# KiCad board ZSWatch-panelized.kicad_pcb (continued)
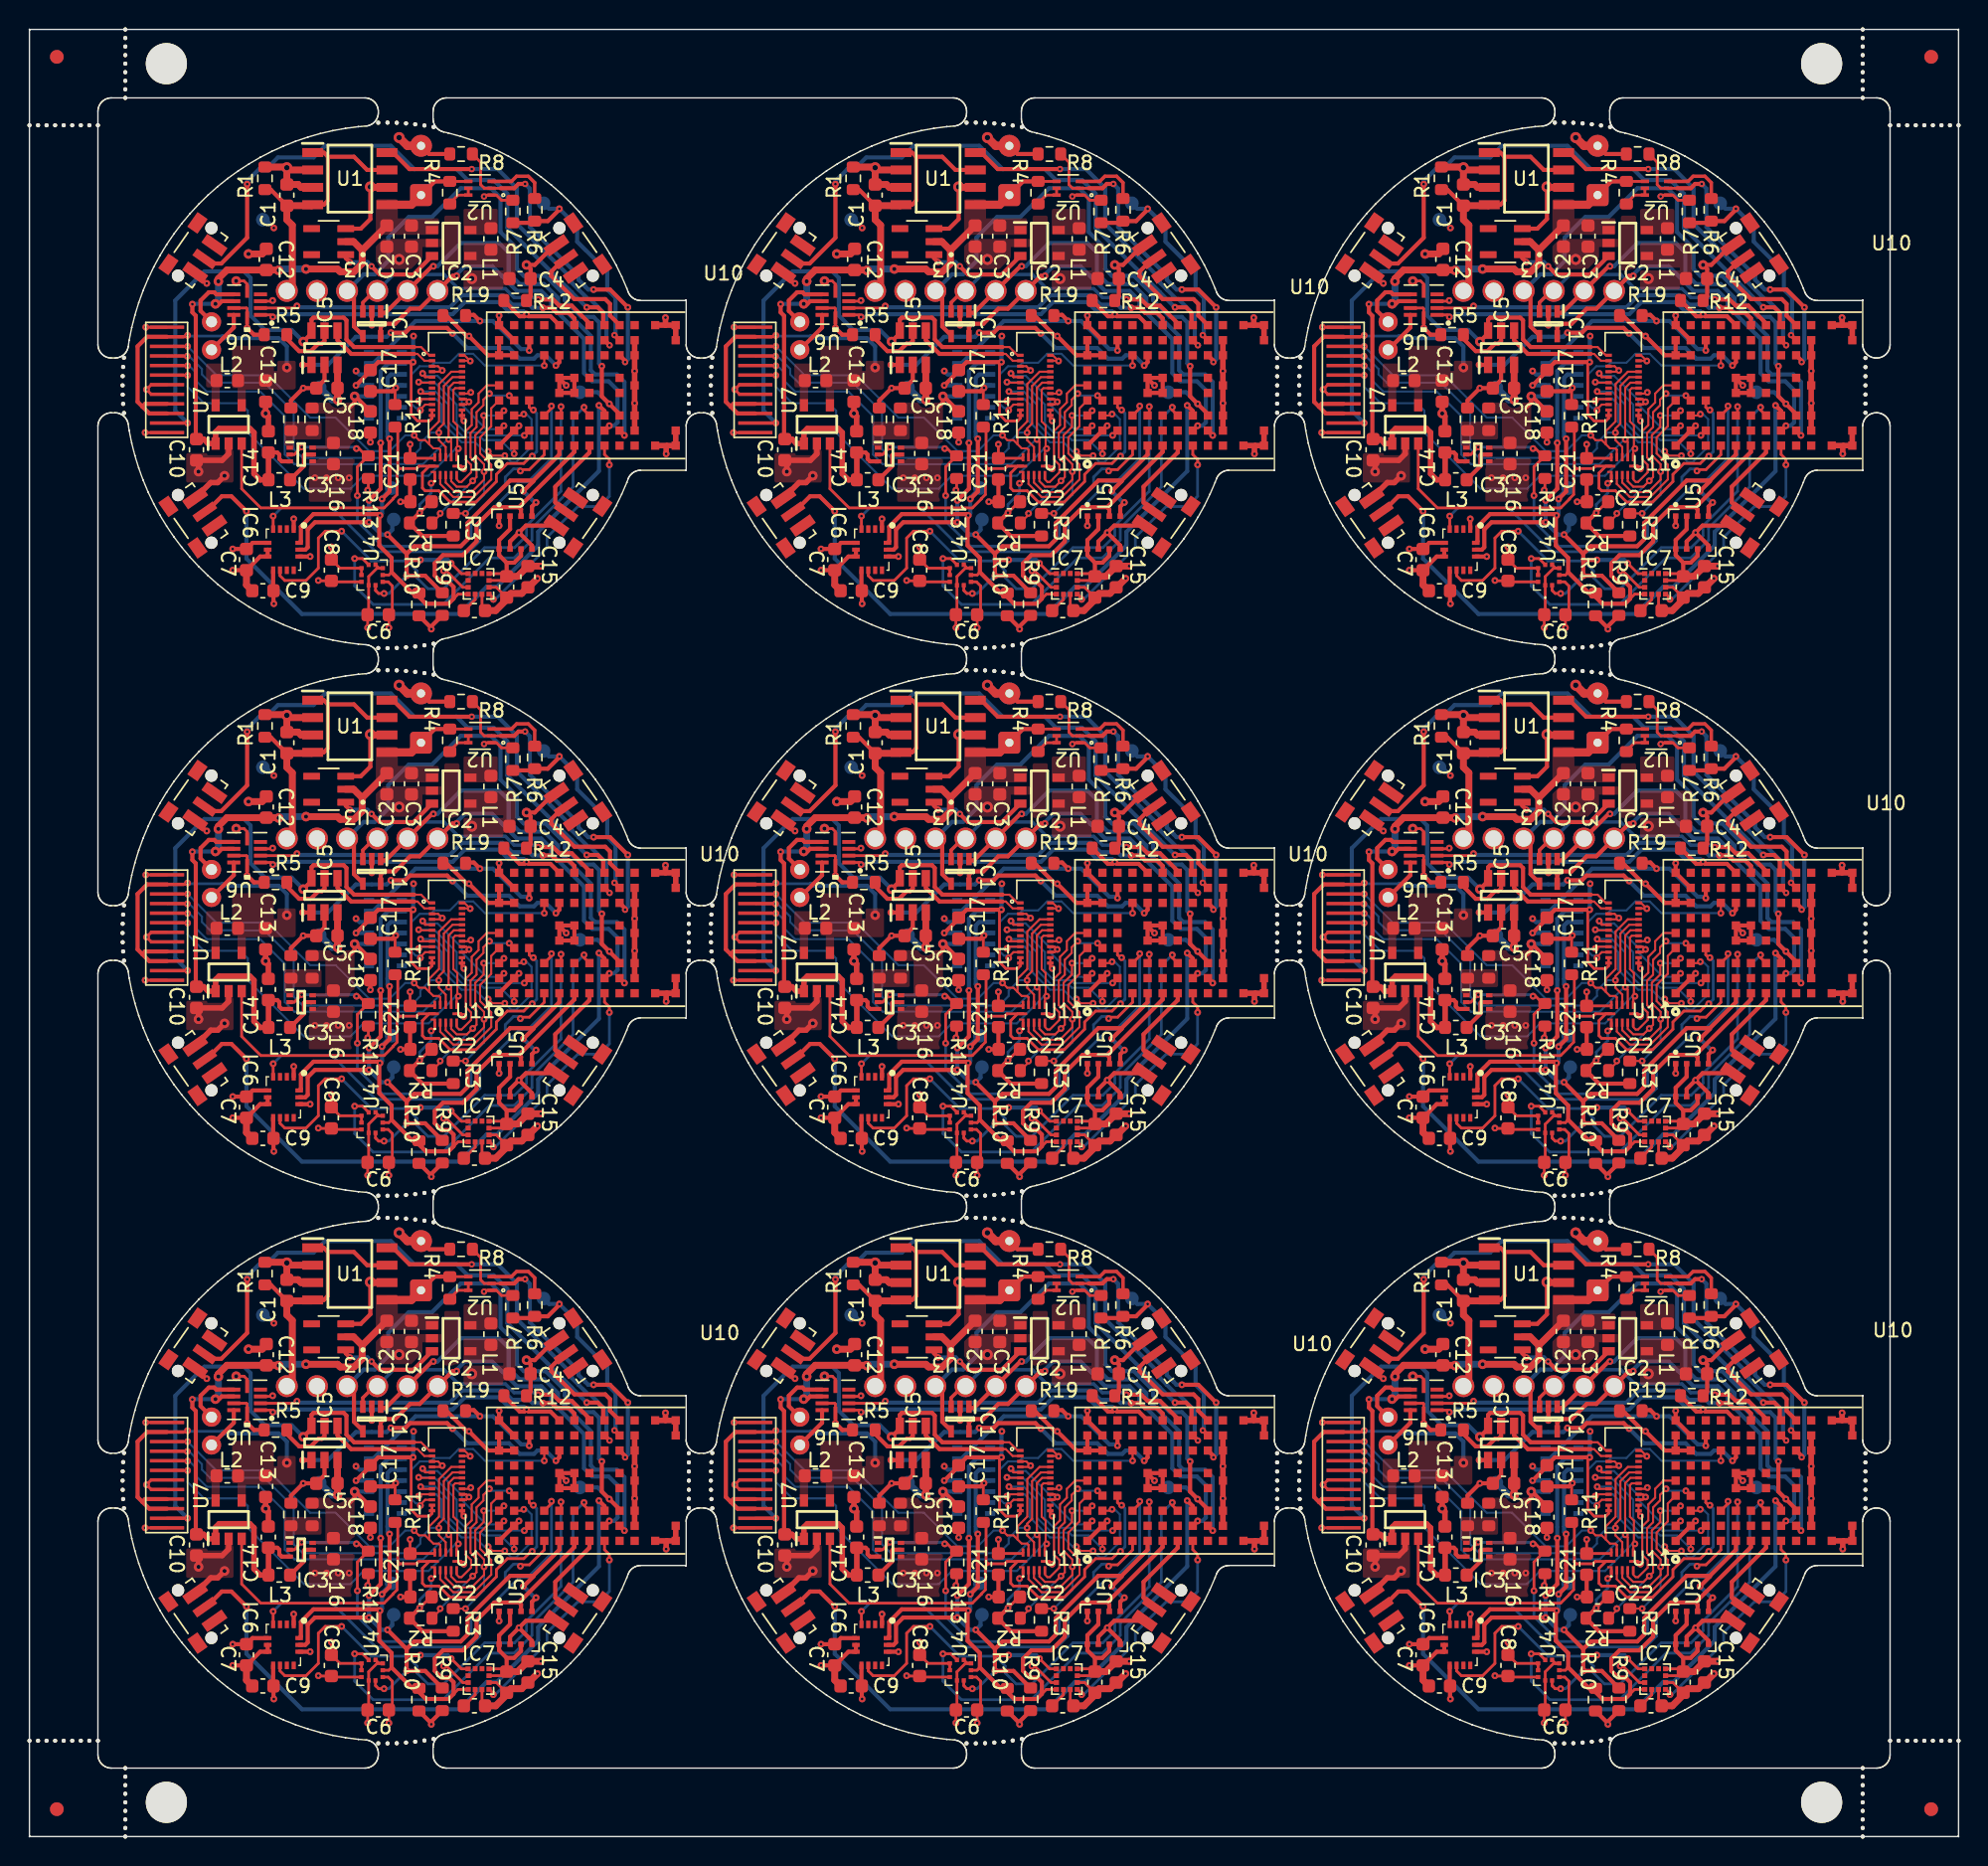
[diagram p0: board, top side]
## Placement (name value [footprint] x y rotation side) (continued)
M1#4  Vibrator DC Motor  [TestPoint_2Pads_Pitch2.54mm_Drill0.8mm]  99.22 68.6 90 top
M1#5  Vibrator DC Motor  [TestPoint_2Pads_Pitch2.54mm_Drill0.8mm]  56.26 108.6 90 top
M1#6  Vibrator DC Motor  [TestPoint_2Pads_Pitch2.54mm_Drill0.8mm]  99.22 108.6 90 top
M1#7  Vibrator DC Motor  [TestPoint_2Pads_Pitch2.54mm_Drill0.8mm]  13.3 28.6 90 top
M1#8  Vibrator DC Motor  [TestPoint_2Pads_Pitch2.54mm_Drill0.8mm]  13.3 108.6 90 top
M1#9  Vibrator DC Motor  [TestPoint_2Pads_Pitch2.54mm_Drill0.8mm]  13.3 68.6 90 top
R1  10k  [R_0603_1608Metric]  17.2 81.12 90 top
R1#2  10k  [R_0603_1608Metric]  103.12 81.12 90 top
R1#3  10k  [R_0603_1608Metric]  17.2 41.12 90 top
R1#4  10k  [R_0603_1608Metric]  60.16 81.12 90 top
R1#5  10k  [R_0603_1608Metric]  60.16 41.12 90 top
R1#6  10k  [R_0603_1608Metric]  103.12 121.12 90 top
R1#7  10k  [R_0603_1608Metric]  103.12 41.12 90 top
R1#8  10k  [R_0603_1608Metric]  17.2 121.12 90 top
R1#9  10k  [R_0603_1608Metric]  60.16 121.12 90 top
R2  4.7k  [R_0603_1608Metric]  28.57 95.95 180 top
R2#2  4.7k  [R_0603_1608Metric]  71.53 55.95 180 top
R2#3  4.7k  [R_0603_1608Metric]  71.53 15.95 180 top
R2#4  4.7k  [R_0603_1608Metric]  114.49 15.95 180 top
R2#5  4.7k  [R_0603_1608Metric]  28.57 55.95 180 top
R2#6  4.7k  [R_0603_1608Metric]  28.57 15.95 180 top
R2#7  4.7k  [R_0603_1608Metric]  114.49 55.95 180 top
R2#8  4.7k  [R_0603_1608Metric]  71.53 95.95 180 top
R2#9  4.7k  [R_0603_1608Metric]  114.49 95.95 180 top
R3  4.7k  [R_0603_1608Metric]  116.87 95.82 270 top
R3#2  4.7k  [R_0603_1608Metric]  30.95 15.82 270 top
R3#3  4.7k  [R_0603_1608Metric]  73.91 95.82 270 top
R3#4  4.7k  [R_0603_1608Metric]  30.95 55.82 270 top
R3#5  4.7k  [R_0603_1608Metric]  73.91 15.82 270 top
R3#6  4.7k  [R_0603_1608Metric]  116.87 15.82 270 top
R3#7  4.7k  [R_0603_1608Metric]  73.91 55.82 270 top
R3#8  4.7k  [R_0603_1608Metric]  30.95 95.82 270 top
R3#9  4.7k  [R_0603_1608Metric]  116.87 55.82 270 top
R4  1M0  [R_0603_1608Metric]  73.66 120.07 270 top
R4#2  1M0  [R_0603_1608Metric]  73.66 80.07 270 top
R4#3  1M0  [R_0603_1608Metric]  30.7 120.07 270 top
R4#4  1M0  [R_0603_1608Metric]  116.62 40.07 270 top
R4#5  1M0  [R_0603_1608Metric]  116.62 120.07 270 top
R4#6  1M0  [R_0603_1608Metric]  116.62 80.07 270 top
R4#7  1M0  [R_0603_1608Metric]  73.66 40.07 270 top
R4#8  1M0  [R_0603_1608Metric]  30.7 40.07 270 top
R4#9  1M0  [R_0603_1608Metric]  30.7 80.07 270 top
R5  9.53k  [R_0603_1608Metric]  103.89 29.7 0 top
R5#2  9.53k  [R_0603_1608Metric]  17.97 109.7 0 top
R5#3  9.53k  [R_0603_1608Metric]  17.97 29.7 0 top
R5#4  9.53k  [R_0603_1608Metric]  60.93 29.7 0 top
R5#5  9.53k  [R_0603_1608Metric]  60.93 109.7 0 top
R5#6  9.53k  [R_0603_1608Metric]  17.97 69.7 0 top
R5#7  9.53k  [R_0603_1608Metric]  103.89 69.7 0 top
R5#8  9.53k  [R_0603_1608Metric]  60.93 69.7 0 top
R5#9  9.53k  [R_0603_1608Metric]  103.89 109.7 0 top
R6  1M5  [R_0603_1608Metric]  122.82 78.82 270 top
R6#2  1M5  [R_0603_1608Metric]  36.9 78.82 270 top
R6#3  1M5  [R_0603_1608Metric]  122.82 38.82 270 top
R6#4  1M5  [R_0603_1608Metric]  36.9 118.82 270 top
R6#5  1M5  [R_0603_1608Metric]  122.82 118.82 270 top
R6#6  1M5  [R_0603_1608Metric]  79.86 78.82 270 top
R6#7  1M5  [R_0603_1608Metric]  79.86 38.82 270 top
R6#8  1M5  [R_0603_1608Metric]  36.9 38.82 270 top
R6#9  1M5  [R_0603_1608Metric]  79.86 118.82 270 top
R7  220k  [R_0603_1608Metric]  121.22 38.7 90 top
R7#2  220k  [R_0603_1608Metric]  78.26 78.7 90 top
R7#3  220k  [R_0603_1608Metric]  78.26 38.7 90 top
R7#4  220k  [R_0603_1608Metric]  35.3 118.7 90 top
R7#5  220k  [R_0603_1608Metric]  35.3 78.7 90 top
R7#6  220k  [R_0603_1608Metric]  35.3 38.7 90 top
R7#7  220k  [R_0603_1608Metric]  121.22 118.7 90 top
R7#8  220k  [R_0603_1608Metric]  78.26 118.7 90 top
R7#9  220k  [R_0603_1608Metric]  121.22 78.7 90 top
R8  1M0  [R_0603_1608Metric]  74.48 82.9 0 top
R8#2  1M0  [R_0603_1608Metric]  117.44 122.9 0 top
R8#3  1M0  [R_0603_1608Metric]  74.48 42.9 0 top
R8#4  1M0  [R_0603_1608Metric]  117.44 42.9 0 top
R8#5  1M0  [R_0603_1608Metric]  31.52 42.9 0 top
R8#6  1M0  [R_0603_1608Metric]  117.44 82.9 0 top
R8#7  1M0  [R_0603_1608Metric]  31.52 82.9 0 top
R8#8  1M0  [R_0603_1608Metric]  31.52 122.9 0 top
R8#9  1M0  [R_0603_1608Metric]  74.48 122.9 0 top
R9  4.7k  [R_0603_1608Metric]  116.07 50.02 270 top
R9#2  4.7k  [R_0603_1608Metric]  73.11 50.02 270 top
R9#3  4.7k  [R_0603_1608Metric]  73.11 10.02 270 top
R9#4  4.7k  [R_0603_1608Metric]  116.07 10.02 270 top
R9#5  4.7k  [R_0603_1608Metric]  30.15 50.02 270 top
R9#6  4.7k  [R_0603_1608Metric]  30.15 10.02 270 top
R9#7  4.7k  [R_0603_1608Metric]  116.07 90.02 270 top
R9#8  4.7k  [R_0603_1608Metric]  30.15 90.02 270 top
R9#9  4.7k  [R_0603_1608Metric]  73.11 90.02 270 top
R10  4.7k  [R_0603_1608Metric]  28.45 90 270 top
R10#2  4.7k  [R_0603_1608Metric]  71.41 10 270 top
R10#3  4.7k  [R_0603_1608Metric]  114.37 90 270 top
R10#4  4.7k  [R_0603_1608Metric]  114.37 50 270 top
R10#5  4.7k  [R_0603_1608Metric]  71.41 50 270 top
R10#6  4.7k  [R_0603_1608Metric]  114.37 10 270 top
R10#7  4.7k  [R_0603_1608Metric]  28.45 50 270 top
R10#8  4.7k  [R_0603_1608Metric]  28.45 10 270 top
R10#9  4.7k  [R_0603_1608Metric]  71.41 90 270 top
R11  100k  [R_0603_1608Metric]  69.66 23.77 90 top
R11#2  100k  [R_0603_1608Metric]  26.7 23.77 90 top
R11#3  100k  [R_0603_1608Metric]  112.62 63.77 90 top
R11#4  100k  [R_0603_1608Metric]  112.62 103.77 90 top
R11#5  100k  [R_0603_1608Metric]  69.66 63.77 90 top
R11#6  100k  [R_0603_1608Metric]  26.7 63.77 90 top
R11#7  100k  [R_0603_1608Metric]  112.62 23.77 90 top
R11#8  100k  [R_0603_1608Metric]  69.66 103.77 90 top
R11#9  100k  [R_0603_1608Metric]  26.7 103.77 90 top
R12  100k  [R_0603_1608Metric]  35.47 32.2 0 top
R12#2  100k  [R_0603_1608Metric]  35.47 112.2 0 top
R12#3  100k  [R_0603_1608Metric]  78.43 72.2 0 top
R12#4  100k  [R_0603_1608Metric]  78.43 32.2 0 top
R12#5  100k  [R_0603_1608Metric]  35.47 72.2 0 top
R12#6  100k  [R_0603_1608Metric]  121.39 32.2 0 top
R12#7  100k  [R_0603_1608Metric]  121.39 112.2 0 top
R12#8  100k  [R_0603_1608Metric]  121.39 72.2 0 top
R12#9  100k  [R_0603_1608Metric]  78.43 112.2 0 top
R13  100k  [R_0603_1608Metric]  67.71 20.02 270 top
R13#2  100k  [R_0603_1608Metric]  24.75 20.02 270 top
R13#3  100k  [R_0603_1608Metric]  24.75 100.02 270 top
R13#4  100k  [R_0603_1608Metric]  110.67 60.02 270 top
R13#5  100k  [R_0603_1608Metric]  110.67 20.02 270 top
R13#6  100k  [R_0603_1608Metric]  110.67 100.02 270 top
R13#7  100k  [R_0603_1608Metric]  24.75 60.02 270 top
R13#8  100k  [R_0603_1608Metric]  67.71 60.02 270 top
R13#9  100k  [R_0603_1608Metric]  67.71 100.02 270 top
R17  732k  [R_0603_1608Metric]  20.65 103.52 90 top
R17#2  732k  [R_0603_1608Metric]  63.61 23.52 90 top
R17#3  732k  [R_0603_1608Metric]  63.61 63.52 90 top
R17#4  732k  [R_0603_1608Metric]  63.61 103.52 90 top
R17#5  732k  [R_0603_1608Metric]  20.65 23.52 90 top
R17#6  732k  [R_0603_1608Metric]  106.57 103.52 90 top
R17#7  732k  [R_0603_1608Metric]  106.57 23.52 90 top
R17#8  732k  [R_0603_1608Metric]  20.65 63.52 90 top
R17#9  732k  [R_0603_1608Metric]  106.57 63.52 90 top
R18  100k  [R_0603_1608Metric]  105.02 23.52 270 top
R18#2  100k  [R_0603_1608Metric]  62.06 63.52 270 top
R18#3  100k  [R_0603_1608Metric]  19.1 63.52 270 top
R18#4  100k  [R_0603_1608Metric]  105.02 63.52 270 top
R18#5  100k  [R_0603_1608Metric]  62.06 103.52 270 top
R18#6  100k  [R_0603_1608Metric]  105.02 103.52 270 top
R18#7  100k  [R_0603_1608Metric]  62.06 23.52 270 top
R18#8  100k  [R_0603_1608Metric]  19.1 23.52 270 top
R18#9  100k  [R_0603_1608Metric]  19.1 103.52 270 top
R19  4.7k  [R_0603_1608Metric]  31.02 71.1 0 top
R19#2  4.7k  [R_0603_1608Metric]  73.98 111.1 0 top
R19#3  4.7k  [R_0603_1608Metric]  73.98 31.1 0 top
R19#4  4.7k  [R_0603_1608Metric]  73.98 71.1 0 top
R19#5  4.7k  [R_0603_1608Metric]  116.94 71.1 0 top
R19#6  4.7k  [R_0603_1608Metric]  31.02 111.1 0 top
R19#7  4.7k  [R_0603_1608Metric]  116.94 111.1 0 top
R19#8  4.7k  [R_0603_1608Metric]  31.02 31.1 0 top
R19#9  4.7k  [R_0603_1608Metric]  116.94 31.1 0 top
REF**  -  [NPTH]  139.62 125 0 top
REF**#2  -  [NPTH]  29.51 84.87 0 top
REF**#3  -  [NPTH]  25.47 45.19 0 top
REF**#4  -  [NPTH]  91.11 25.33 0 top
REF**#5  -  [NPTH]  92.76 24.65 0 top
REF**#6  -  [NPTH]  133.87 127.62 0 top
REF**#7  -  [NPTH]  49.76 66 0 top
REF**#8  -  [NPTH]  70.46 85.14 0 top
REF**#9  -  [NPTH]  1.88 7 0 top
REF**#10  -  [NPTH]  112.74 45.18 0 top
REF**#11  -  [NPTH]  27.5 86.86 0 top
REF**#12  -  [NPTH]  48.15 26.67 0 top
REF**#13  -  [NPTH]  133.87 3.75 0 top
REF**#14  -  [NPTH]  115.43 87.13 0 top
REF**#15  -  [NPTH]  69.78 86.82 0 top
REF**#16  -  [NPTH]  28.17 46.93 0 top
REF**#17  -  [NPTH]  113.42 125.14 0 top
REF**#18  -  [NPTH]  49.87 103.98 0 top
REF**#19  -  [NPTH]  6.81 25.33 0 top
REF**#20  -  [NPTH]  26.82 6.82 0 top
REF**#21  -  [NPTH]  28.84 47.01 0 top
REF**#22  -  [NPTH]  134.07 66.67 0 top
REF**#23  -  [NPTH]  113.42 46.86 0 top
REF**#24  -  [NPTH]  133.87 128.87 0 top
REF**#25  -  [NPTH]  49.76 26 0 top
REF**#26  -  [NPTH]  92.73 65.33 0 top
REF**#27  -  [NPTH]  6.91 68.02 0 top
REF**#28  -  [NPTH]  49.8 67.35 0 top
REF**#29  -  [NPTH]  49.8 27.35 0 top
REF**#30  -  [NPTH]  70.46 86.86 0 top
REF**#31  -  [NPTH]  114.09 6.93 0 top
REF**#32  -  [NPTH]  49.8 64.65 0 top
REF**#33  -  [NPTH]  133.87 128.25 0 top
REF**#34  -  [NPTH]  49.77 25.33 0 top
REF**#35  -  [NPTH]  48.15 108 0 top
REF**#36  -  [NPTH]  92.73 106.67 0 top
REF**#37  -  [NPTH]  138.37 7 0 top
REF**#38  -  [NPTH]  25.47 85.19 0 top
REF**#39  -  [NPTH]  112.07 86.8 0 top
REF**#40  -  [NPTH]  134.07 104.67 0 top
REF**#41  -  [NPTH]  112.74 85.18 0 top
REF**#42  -  [NPTH]  92.72 26 0 top
REF**#43  -  [NPTH]  112.74 46.82 0 top
REF**#44  -  [NPTH#2]  130.87 2.5 0 top
REF**#45  -  [NPTH]  91.11 105.33 0 top
REF**#46  -  [NPTH]  7 127.62 0 top
REF**#47  -  [NPTH]  92.73 26.67 0 top
REF**#48  -  [NPTH]  69.11 85.19 0 top
REF**#49  -  [NPTH]  28.84 87.01 0 top
REF**#50  -  [NPTH]  6.8 66 0 top
REF**#51  -  [NPTH]  92.83 23.98 0 top
REF**#52  -  [NPTH]  115.43 7.13 0 top
REF**#53  -  [NPTH#2]  10 2.5 0 top
REF**#54  -  [Fiducial]  138.87 2 0 top
REF**#55  -  [NPTH]  49.87 108.02 0 top
REF**#56  -  [NPTH]  133.87 129.5 0 top
REF**#57  -  [NPTH]  92.76 64.65 0 top
REF**#58  -  [NPTH]  133.87 130.75 0 top
REF**#59  -  [NPTH]  114.76 44.99 0 top
REF**#60  -  [NPTH]  3.12 7 0 top
REF**#61  -  [NPTH]  134.07 27.33 0 top
REF**#62  -  [NPTH]  25.47 46.81 0 top
REF**#63  -  [NPTH]  71.13 86.93 0 top
REF**#64  -  [NPTH]  29.51 124.87 0 top
REF**#65  -  [NPTH]  49.87 63.98 0 top
REF**#66  -  [NPTH]  7 128.87 0 top
REF**#67  -  [NPTH]  69.11 45.19 0 top
REF**#68  -  [NPTH]  133.87 1.88 0 top
REF**#69  -  [NPTH]  48.15 64.67 0 top
REF**#70  -  [NPTH]  3.75 7 0 top
REF**#71  -  [NPTH]  29.51 87.13 0 top
REF**#72  -  [NPTH]  26.82 45.18 0 top
REF**#73  -  [NPTH]  49.87 28.02 0 top
REF**#74  -  [NPTH]  7 1.25 0 top
REF**#75  -  [NPTH]  6.91 63.98 0 top
REF**#76  -  [NPTH]  92.76 104.65 0 top
REF**#77  -  [NPTH]  5 7 0 top
REF**#78  -  [NPTH]  48.15 106 0 top
REF**#79  -  [NPTH]  139.62 7 0 top
REF**#80  -  [NPTH]  133.87 2.5 0 top
REF**#81  -  [NPTH]  92.73 66.67 0 top
REF**#82  -  [NPTH]  1.88 125 0 top
REF**#83  -  [NPTH]  7 131.37 0 top
REF**#84  -  [NPTH]  7 129.5 0 top
REF**#85  -  [NPTH]  0.62 125 0 top
REF**#86  -  [NPTH]  140.25 125 0 top
REF**#87  -  [NPTH]  136.5 7 0 top
REF**#88  -  [NPTH]  2.5 7 0 top
REF**#89  -  [NPTH]  48.15 104 0 top
REF**#90  -  [NPTH]  29.51 47.13 0 top
REF**#91  -  [NPTH]  48.15 68 0 top
REF**#92  -  [NPTH]  6.8 106 0 top
REF**#93  -  [NPTH]  114.09 125.07 0 top
REF**#94  -  [NPTH]  134.07 64.67 0 top
REF**#95  -  [NPTH]  134.07 65.33 0 top
REF**#96  -  [NPTH]  112.74 125.18 0 top
REF**#97  -  [NPTH]  69.11 46.8 0 top
REF**#98  -  [NPTH]  135.87 7 0 top
REF**#99  -  [NPTH]  91.11 26 0 top
REF**#100  -  [NPTH]  114.09 86.93 0 top
REF**#101  -  [NPTH]  92.83 68.02 0 top
REF**#102  -  [NPTH]  28.84 7.01 0 top
REF**#103  -  [NPTH]  71.13 45.07 0 top
REF**#104  -  [NPTH]  69.11 6.8 0 top
REF**#105  -  [NPTH]  48.15 28 0 top
REF**#106  -  [NPTH]  7 132 0 top
REF**#107  -  [NPTH]  114.76 124.99 0 top
REF**#108  -  [NPTH]  27.5 45.14 0 top
REF**#109  -  [NPTH]  140.87 7 0 top
REF**#110  -  [NPTH]  134.07 66 0 top
REF**#111  -  [NPTH]  6.81 106.67 0 top
REF**#112  -  [NPTH]  91.11 64 0 top
REF**#113  -  [NPTH]  28.17 85.07 0 top
REF**#114  -  [NPTH]  48.15 66 0 top
REF**#115  -  [NPTH]  134.07 104 0 top
REF**#116  -  [NPTH]  92.72 106 0 top
REF**#117  -  [NPTH]  91.11 66 0 top
REF**#118  -  [NPTH]  115.43 84.87 0 top
REF**#119  -  [NPTH]  49.76 106 0 top
REF**#120  -  [NPTH]  6.91 103.98 0 top
REF**#121  -  [NPTH]  113.42 85.14 0 top
REF**#122  -  [NPTH]  28.84 84.99 0 top
REF**#123  -  [NPTH]  115.43 124.87 0 top
REF**#124  -  [NPTH]  91.11 24 0 top
REF**#125  -  [NPTH]  92.76 107.35 0 top
REF**#126  -  [NPTH]  72.47 44.87 0 top
REF**#127  -  [NPTH]  91.11 66.67 0 top
REF**#128  -  [NPTH]  7 0.62 0 top
REF**#129  -  [NPTH]  4.38 125 0 top
REF**#130  -  [NPTH]  134.07 105.33 0 top
REF**#131  -  [NPTH]  28.17 86.93 0 top
REF**#132  -  [NPTH]  134.07 64 0 top
REF**#133  -  [NPTH]  7 0 0 top
REF**#134  -  [NPTH]  27.5 46.86 0 top
REF**#135  -  [NPTH]  133.87 0 0 top
REF**#136  -  [NPTH]  134.07 108 0 top
REF**#137  -  [NPTH]  4.38 7 0 top
REF**#138  -  [NPTH]  133.87 5 0 top
REF**#139  -  [NPTH]  48.15 25.33 0 top
REF**#140  -  [NPTH]  133.87 3.12 0 top
REF**#141  -  [NPTH]  138.37 125 0 top
REF**#142  -  [NPTH]  92.83 63.98 0 top
REF**#143  -  [NPTH]  49.77 26.67 0 top
REF**#144  -  [NPTH]  49.77 65.33 0 top
REF**#145  -  [NPTH]  26.82 86.82 0 top
REF**#146  -  [NPTH]  6.84 27.35 0 top
REF**#147  -  [NPTH]  49.87 23.98 0 top
REF**#148  -  [NPTH]  111.39 6.81 0 top
REF**#149  -  [NPTH]  111.39 46.81 0 top
REF**#150  -  [NPTH]  112.07 45.19 0 top
REF**#151  -  [NPTH]  68.43 46.81 0 top
REF**#152  -  [NPTH]  114.09 46.93 0 top
REF**#153  -  [NPTH]  48.15 66.67 0 top
REF**#154  -  [NPTH]  0.62 7 0 top
REF**#155  -  [NPTH]  68.43 45.19 0 top
REF**#156  -  [NPTH]  7 4.38 0 top
REF**#157  -  [NPTH]  92.83 103.98 0 top
REF**#158  -  [NPTH]  112.07 46.8 0 top
REF**#159  -  [NPTH]  3.12 125 0 top
REF**#160  -  [NPTH]  112.07 125.19 0 top
REF**#161  -  [NPTH]  69.78 85.18 0 top
REF**#162  -  [NPTH]  49.77 66.67 0 top
REF**#163  -  [NPTH]  49.77 106.67 0 top
REF**#164  -  [NPTH]  72.47 124.87 0 top
REF**#165  -  [NPTH]  137.12 125 0 top
REF**#166  -  [NPTH]  5 125 0 top
REF**#167  -  [NPTH]  115.43 47.13 0 top
REF**#168  -  [NPTH]  28.17 45.07 0 top
REF**#169  -  [NPTH]  2.5 125 0 top
REF**#170  -  [NPTH]  69.11 86.8 0 top
REF**#171  -  [NPTH]  49.8 104.65 0 top
REF**#172  -  [NPTH]  6.84 107.35 0 top
REF**#173  -  [NPTH]  71.13 46.93 0 top
REF**#174  -  [NPTH]  26.15 86.8 0 top
REF**#175  -  [NPTH]  71.8 124.99 0 top
REF**#176  -  [NPTH]  26.82 85.18 0 top
REF**#177  -  [NPTH]  29.51 7.13 0 top
REF**#178  -  [NPTH]  7 3.12 0 top
REF**#179  -  [NPTH]  113.42 6.86 0 top
REF**#180  -  [NPTH]  49.77 105.33 0 top
REF**#181  -  [NPTH]  137.75 7 0 top
REF**#182  -  [NPTH]  114.09 85.07 0 top
REF**#183  -  [NPTH]  48.15 65.33 0 top
REF**#184  -  [NPTH]  92.73 25.33 0 top
REF**#185  -  [NPTH]  48.15 24.67 0 top
REF**#186  -  [NPTH]  134.07 67.33 0 top
REF**#187  -  [NPTH]  26.15 85.19 0 top
REF**#188  -  [NPTH]  114.09 45.07 0 top
REF**#189  -  [NPTH]  6.91 108.02 0 top
REF**#190  -  [NPTH]  48.15 24 0 top
REF**#191  -  [NPTH]  49.8 107.35 0 top
REF**#192  -  [NPTH#2]  130.87 129.5 0 top
REF**#193  -  [NPTH]  114.76 87.01 0 top
REF**#194  -  [NPTH]  72.47 84.87 0 top
REF**#195  -  [NPTH]  28.84 44.99 0 top
REF**#196  -  [NPTH]  134.07 26 0 top
REF**#197  -  [NPTH]  71.13 85.07 0 top
REF**#198  -  [NPTH]  112.07 85.19 0 top
REF**#199  -  [NPTH]  6.91 23.98 0 top
REF**#200  -  [NPTH]  26.15 6.8 0 top
REF**#201  -  [NPTH]  29.51 44.87 0 top
REF**#202  -  [NPTH]  111.39 125.19 0 top
REF**#203  -  [NPTH]  91.11 104 0 top
REF**#204  -  [NPTH]  111.39 85.19 0 top
REF**#205  -  [NPTH]  48.15 64 0 top
REF**#206  -  [NPTH]  91.11 106 0 top
REF**#207  -  [NPTH]  140.87 125 0 top
REF**#208  -  [NPTH]  91.11 68 0 top
REF**#209  -  [NPTH]  71.8 84.99 0 top
REF**#210  -  [NPTH]  134.07 25.33 0 top
REF**#211  -  [NPTH]  111.39 45.19 0 top
REF**#212  -  [NPTH]  27.5 6.86 0 top
REF**#213  -  [NPTH]  91.11 26.67 0 top
REF**#214  -  [NPTH]  48.15 104.67 0 top
REF**#215  -  [NPTH]  71.13 6.93 0 top
REF**#216  -  [NPTH]  3.75 125 0 top
REF**#217  -  [NPTH]  111.39 86.81 0 top
REF**#218  -  [NPTH]  28.84 124.99 0 top
REF**#219  -  [NPTH]  72.47 47.13 0 top
REF**#220  -  [NPTH]  92.83 108.02 0 top
REF**#221  -  [NPTH]  71.8 87.01 0 top
REF**#222  -  [NPTH]  48.15 107.33 0 top
REF**#223  -  [NPTH]  71.13 125.07 0 top
REF**#224  -  [NPTH]  25.47 125.19 0 top
REF**#225  -  [NPTH]  69.78 6.82 0 top
REF**#226  -  [NPTH]  0 125 0 top
REF**#227  -  [NPTH]  134.07 106.67 0 top
REF**#228  -  [NPTH]  70.46 46.86 0 top
REF**#229  -  [NPTH]  72.47 7.13 0 top
REF**#230  -  [NPTH]  137.12 7 0 top
REF**#231  -  [NPTH]  6.84 104.65 0 top
REF**#232  -  [NPTH]  134.07 68 0 top
REF**#233  -  [NPTH]  71.8 47.01 0 top
REF**#234  -  [NPTH]  91.11 24.67 0 top
REF**#235  -  [NPTH]  91.11 107.33 0 top
REF**#236  -  [NPTH]  1.25 7 0 top
REF**#237  -  [NPTH]  91.11 27.33 0 top
REF**#238  -  [NPTH]  6.84 64.65 0 top
REF**#239  -  [NPTH]  139 7 0 top
REF**#240  -  [NPTH]  137.75 125 0 top
REF**#241  -  [NPTH]  69.78 125.18 0 top
REF**#242  -  [NPTH]  68.43 85.19 0 top
REF**#243  -  [NPTH]  91.11 104.67 0 top
REF**#244  -  [NPTH]  49.8 24.65 0 top
REF**#245  -  [NPTH]  69.78 45.18 0 top
REF**#246  -  [NPTH]  71.8 44.99 0 top
REF**#247  -  [NPTH]  112.74 6.82 0 top
REF**#248  -  [NPTH]  7 3.75 0 top
REF**#249  -  [NPTH]  91.11 64.67 0 top
REF**#250  -  [NPTH]  6.81 26.67 0 top
REF**#251  -  [NPTH]  114.76 84.99 0 top
REF**#252  -  [NPTH]  91.11 67.33 0 top
REF**#253  -  [Fiducial]  138.87 130 0 top
REF**#254  -  [NPTH]  28.17 6.93 0 top
REF**#255  -  [NPTH]  48.15 27.33 0 top
REF**#256  -  [NPTH]  6.84 24.65 0 top
REF**#257  -  [NPTH]  25.47 6.81 0 top
REF**#258  -  [NPTH]  7 2.5 0 top
REF**#259  -  [NPTH]  91.11 28 0 top
REF**#260  -  [NPTH]  91.11 108 0 top
REF**#261  -  [NPTH]  113.42 86.86 0 top
REF**#262  -  [NPTH]  133.87 0.62 0 top
REF**#263  -  [NPTH]  0 7 0 top
REF**#264  -  [NPTH]  70.46 6.86 0 top
REF**#265  -  [NPTH]  48.15 105.33 0 top
REF**#266  -  [NPTH]  92.72 66 0 top
REF**#267  -  [NPTH]  25.47 86.81 0 top
REF**#268  -  [NPTH]  28.17 125.07 0 top
REF**#269  -  [NPTH]  69.78 46.82 0 top
REF**#270  -  [NPTH]  133.87 127 0 top
REF**#271  -  [NPTH]  134.07 26.67 0 top
REF**#272  -  [NPTH]  133.87 1.25 0 top
REF**#273  -  [NPTH]  140.25 7 0 top
REF**#274  -  [NPTH]  114.76 47.01 0 top
REF**#275  -  [NPTH]  136.5 125 0 top
REF**#276  -  [NPTH]  70.46 125.14 0 top
REF**#277  -  [NPTH]  26.15 46.8 0 top
REF**#278  -  [NPTH]  6.81 105.33 0 top
REF**#279  -  [NPTH]  139 125 0 top
REF**#280  -  [NPTH]  7 5 0 top
REF**#281  -  [NPTH]  92.73 105.33 0 top
REF**#282  -  [NPTH]  27.5 85.14 0 top
REF**#283  -  [NPTH]  26.15 125.19 0 top
REF**#284  -  [NPTH]  134.07 28 0 top
REF**#285  -  [NPTH]  115.43 44.87 0 top
REF**#286  -  [NPTH]  49.87 68.02 0 top
REF**#287  -  [NPTH]  91.11 65.33 0 top
REF**#288  -  [NPTH]  1.25 125 0 top
REF**#289  -  [NPTH]  68.43 6.81 0 top
REF**#290  -  [NPTH]  114.76 7.01 0 top
REF**#291  -  [NPTH]  112.74 86.82 0 top
REF**#292  -  [NPTH]  48.15 67.33 0 top
REF**#293  -  [NPTH]  134.07 24.67 0 top
REF**#294  -  [NPTH]  69.11 125.19 0 top
REF**#295  -  [NPTH]  133.87 131.37 0 top
REF**#296  -  [NPTH]  26.82 46.82 0 top
REF**#297  -  [NPTH]  92.76 27.35 0 top
REF**#298  -  [NPTH]  134.07 106 0 top
REF**#299  -  [NPTH]  26.82 125.18 0 top
REF**#300  -  [NPTH]  68.43 86.81 0 top
REF**#301  -  [NPTH]  7 130.12 0 top
REF**#302  -  [NPTH]  113.42 45.14 0 top
REF**#303  -  [NPTH]  6.91 28.02 0 top
REF**#304  -  [Fiducial]  2 130 0 top
REF**#305  -  [NPTH]  135.87 125 0 top
REF**#306  -  [NPTH]  133.87 130.12 0 top
REF**#307  -  [NPTH]  26.15 45.19 0 top
REF**#308  -  [NPTH]  6.8 26 0 top
REF**#309  -  [NPTH]  71.8 7.01 0 top
REF**#310  -  [NPTH]  91.11 106.67 0 top
REF**#311  -  [NPTH]  6.81 65.33 0 top
REF**#312  -  [NPTH]  6.81 66.67 0 top
REF**#313  -  [NPTH]  70.46 45.14 0 top
REF**#314  -  [NPTH]  133.87 132 0 top
REF**#315  -  [NPTH]  134.07 107.33 0 top
REF**#316  -  [NPTH]  48.15 26 0 top
REF**#317  -  [NPTH]  7 128.25 0 top
REF**#318  -  [NPTH]  72.47 87.13 0 top
REF**#319  -  [NPTH]  112.07 6.8 0 top
REF**#320  -  [NPTH]  7 1.88 0 top
REF**#321  -  [NPTH]  92.76 67.35 0 top
REF**#322  -  [NPTH]  92.83 28.02 0 top
REF**#323  -  [NPTH]  7 127 0 top
REF**#324  -  [NPTH#2]  10 129.5 0 top
REF**#325  -  [Fiducial]  2 2 0 top
REF**#326  -  [NPTH]  48.15 106.67 0 top
REF**#327  -  [NPTH]  133.87 4.38 0 top
REF**#328  -  [NPTH]  7 130.75 0 top
REF**#329  -  [NPTH]  27.5 125.14 0 top
REF**#330  -  [NPTH]  6.84 67.35 0 top
REF**#331  -  [NPTH]  68.43 125.19 0 top
REF**#332  -  [NPTH]  134.07 24 0 top
REF**#333  -  [Fiducial]  2 2 0 bottom
REF**#334  -  [Fiducial]  138.87 130 0 bottom
REF**#335  -  [Fiducial]  2 130 0 bottom
REF**#336  -  [Fiducial]  138.87 2 0 bottom
S1  SKRTLAE010  [SW_SKRTLAE010]  55.03 16.25 305 top
S1#2  SKRTLAE010  [SW_SKRTLAE010]  12.07 96.25 305 top
S1#3  SKRTLAE010  [SW_SKRTLAE010]  55.03 56.25 305 top
S1#4  SKRTLAE010  [SW_SKRTLAE010]  97.99 56.25 305 top
S1#5  SKRTLAE010  [SW_SKRTLAE010]  97.99 96.25 305 top
S1#6  SKRTLAE010  [SW_SKRTLAE010]  55.03 96.25 305 top
S1#7  SKRTLAE010  [SW_SKRTLAE010]  12.07 56.25 305 top
S1#8  SKRTLAE010  [SW_SKRTLAE010]  12.07 16.25 305 top
S1#9  SKRTLAE010  [SW_SKRTLAE010]  97.99 16.25 305 top
S2  SKRTLAE010  [SW_SKRTLAE010]  39.92 75.75 125 top
S2#2  SKRTLAE010  [SW_SKRTLAE010]  125.84 75.75 125 top
S2#3  SKRTLAE010  [SW_SKRTLAE010]  125.84 35.75 125 top
S2#4  SKRTLAE010  [SW_SKRTLAE010]  39.92 115.75 125 top
S2#5  SKRTLAE010  [SW_SKRTLAE010]  82.88 75.75 125 top
S2#6  SKRTLAE010  [SW_SKRTLAE010]  82.88 35.75 125 top
S2#7  SKRTLAE010  [SW_SKRTLAE010]  125.84 115.75 125 top
S2#8  SKRTLAE010  [SW_SKRTLAE010]  39.92 35.75 125 top
S2#9  SKRTLAE010  [SW_SKRTLAE010]  82.88 115.75 125 top
S3  SKRTLAE010  [SW_SKRTLAE010]  97.99 75.75 235 top
S3#2  SKRTLAE010  [SW_SKRTLAE010]  55.03 75.75 235 top
S3#3  SKRTLAE010  [SW_SKRTLAE010]  97.99 115.75 235 top
S3#4  SKRTLAE010  [SW_SKRTLAE010]  55.03 35.75 235 top
S3#5  SKRTLAE010  [SW_SKRTLAE010]  97.99 35.75 235 top
S3#6  SKRTLAE010  [SW_SKRTLAE010]  12.07 35.75 235 top
S3#7  SKRTLAE010  [SW_SKRTLAE010]  12.07 75.75 235 top
S3#8  SKRTLAE010  [SW_SKRTLAE010]  55.03 115.75 235 top
S3#9  SKRTLAE010  [SW_SKRTLAE010]  12.07 115.75 235 top
S4  SKRTLAE010  [SW_SKRTLAE010]  125.84 16.25 55 top
S4#2  SKRTLAE010  [SW_SKRTLAE010]  82.88 56.25 55 top
S4#3  SKRTLAE010  [SW_SKRTLAE010]  39.92 16.25 55 top
S4#4  SKRTLAE010  [SW_SKRTLAE010]  125.84 56.25 55 top
S4#5  SKRTLAE010  [SW_SKRTLAE010]  39.92 96.25 55 top
S4#6  SKRTLAE010  [SW_SKRTLAE010]  82.88 16.25 55 top
S4#7  SKRTLAE010  [SW_SKRTLAE010]  82.88 96.25 55 top
S4#8  SKRTLAE010  [SW_SKRTLAE010]  39.92 56.25 55 top
S4#9  SKRTLAE010  [SW_SKRTLAE010]  125.84 96.25 55 top
TP3  BAT_MON  [TestPoint_Pad_D1.0mm]  37.55 119.3 180 bottom
TP3#2  BAT_MON  [TestPoint_Pad_D1.0mm]  80.51 119.3 180 bottom
TP3#3  BAT_MON  [TestPoint_Pad_D1.0mm]  80.51 39.3 180 bottom
TP3#4  BAT_MON  [TestPoint_Pad_D1.0mm]  37.55 79.3 180 bottom
TP3#5  BAT_MON  [TestPoint_Pad_D1.0mm]  123.47 79.3 180 bottom
TP3#6  BAT_MON  [TestPoint_Pad_D1.0mm]  37.55 39.3 180 bottom
TP3#7  BAT_MON  [TestPoint_Pad_D1.0mm]  123.47 39.3 180 bottom
TP3#8  BAT_MON  [TestPoint_Pad_D1.0mm]  80.51 79.3 180 bottom
TP3#9  BAT_MON  [TestPoint_Pad_D1.0mm]  123.47 119.3 180 bottom
TP8  1V8  [TestPoint_Pad_D1.0mm]  17.05 78.1 180 bottom
TP8#2  1V8  [TestPoint_Pad_D1.0mm]  102.97 118.1 180 bottom
TP8#3  1V8  [TestPoint_Pad_D1.0mm]  17.05 38.1 180 bottom
TP8#4  1V8  [TestPoint_Pad_D1.0mm]  102.97 38.1 180 bottom
TP8#5  1V8  [TestPoint_Pad_D1.0mm]  102.97 78.1 180 bottom
TP8#6  1V8  [TestPoint_Pad_D1.0mm]  60.01 118.1 180 bottom
TP8#7  1V8  [TestPoint_Pad_D1.0mm]  60.01 38.1 180 bottom
TP8#8  1V8  [TestPoint_Pad_D1.0mm]  17.05 118.1 180 bottom
TP8#9  1V8  [TestPoint_Pad_D1.0mm]  60.01 78.1 180 bottom
TP9  MR  [TestPoint_Pad_D1.0mm]  69.56 16.2 180 bottom
TP9#2  MR  [TestPoint_Pad_D1.0mm]  112.52 16.2 180 bottom
TP9#3  MR  [TestPoint_Pad_D1.0mm]  112.52 96.2 180 bottom
TP9#4  MR  [TestPoint_Pad_D1.0mm]  69.56 56.2 180 bottom
TP9#5  MR  [TestPoint_Pad_D1.0mm]  26.6 96.2 180 bottom
TP9#6  MR  [TestPoint_Pad_D1.0mm]  112.52 56.2 180 bottom
TP9#7  MR  [TestPoint_Pad_D1.0mm]  69.56 96.2 180 bottom
TP9#8  MR  [TestPoint_Pad_D1.0mm]  26.6 56.2 180 bottom
TP9#9  MR  [TestPoint_Pad_D1.0mm]  26.6 16.2 180 bottom
TP10  MR  [TestPoint_Pad_D1.0mm]  26.45 98.5 180 bottom
TP10#2  MR  [TestPoint_Pad_D1.0mm]  112.37 18.5 180 bottom
TP10#3  MR  [TestPoint_Pad_D1.0mm]  112.37 98.5 180 bottom
TP10#4  MR  [TestPoint_Pad_D1.0mm]  69.41 98.5 180 bottom
TP10#5  MR  [TestPoint_Pad_D1.0mm]  69.41 18.5 180 bottom
TP10#6  MR  [TestPoint_Pad_D1.0mm]  26.45 18.5 180 bottom
TP10#7  MR  [TestPoint_Pad_D1.0mm]  69.41 58.5 180 bottom
TP10#8  MR  [TestPoint_Pad_D1.0mm]  112.37 58.5 180 bottom
TP10#9  MR  [TestPoint_Pad_D1.0mm]  26.45 58.5 180 bottom
TP11  MR  [TestPoint_Pad_D1.0mm]  107.12 65.85 180 bottom
TP11#2  MR  [TestPoint_Pad_D1.0mm]  21.2 25.85 180 bottom
TP11#3  MR  [TestPoint_Pad_D1.0mm]  21.2 65.85 180 bottom
TP11#4  MR  [TestPoint_Pad_D1.0mm]  107.12 105.85 180 bottom
TP11#5  MR  [TestPoint_Pad_D1.0mm]  64.16 65.85 180 bottom
TP11#6  MR  [TestPoint_Pad_D1.0mm]  64.16 25.85 180 bottom
TP11#7  MR  [TestPoint_Pad_D1.0mm]  21.2 105.85 180 bottom
TP11#8  MR  [TestPoint_Pad_D1.0mm]  107.12 25.85 180 bottom
TP11#9  MR  [TestPoint_Pad_D1.0mm]  64.16 105.85 180 bottom
TP12  MR  [TestPoint_Pad_D1.0mm]  40.2 105.5 180 bottom
TP12#2  MR  [TestPoint_Pad_D1.0mm]  40.2 25.5 180 bottom
TP12#3  MR  [TestPoint_Pad_D1.0mm]  83.16 65.5 180 bottom
TP12#4  MR  [TestPoint_Pad_D1.0mm]  83.16 25.5 180 bottom
TP12#5  MR  [TestPoint_Pad_D1.0mm]  126.12 65.5 180 bottom
TP12#6  MR  [TestPoint_Pad_D1.0mm]  126.12 105.5 180 bottom
TP12#7  MR  [TestPoint_Pad_D1.0mm]  126.12 25.5 180 bottom
TP12#8  MR  [TestPoint_Pad_D1.0mm]  83.16 105.5 180 bottom
TP12#9  MR  [TestPoint_Pad_D1.0mm]  40.2 65.5 180 bottom
U1  MAX1811ESA+  [SOIC127P600X175-8N]  66.36 41.1 0 top
U1#2  MAX1811ESA+  [SOIC127P600X175-8N]  23.4 121.1 0 top
U1#3  MAX1811ESA+  [SOIC127P600X175-8N]  23.4 41.1 0 top
U1#4  MAX1811ESA+  [SOIC127P600X175-8N]  109.32 81.1 0 top
U1#5  MAX1811ESA+  [SOIC127P600X175-8N]  66.36 121.1 0 top
U1#6  MAX1811ESA+  [SOIC127P600X175-8N]  23.4 81.1 0 top
U1#7  MAX1811ESA+  [SOIC127P600X175-8N]  66.36 81.1 0 top
U1#8  MAX1811ESA+  [SOIC127P600X175-8N]  109.32 41.1 0 top
U1#9  MAX1811ESA+  [SOIC127P600X175-8N]  109.32 121.1 0 top
U2  -  [DMC2400UV-7]  75.86 40.4 180 top
U2#2  -  [DMC2400UV-7]  32.9 40.4 180 top
U2#3  -  [DMC2400UV-7]  32.9 120.4 180 top
U2#4  -  [DMC2400UV-7]  32.9 80.4 180 top
U2#5  -  [DMC2400UV-7]  118.82 40.4 180 top
U2#6  -  [DMC2400UV-7]  75.86 120.4 180 top
U2#7  -  [DMC2400UV-7]  75.86 80.4 180 top
U2#8  -  [DMC2400UV-7]  118.82 80.4 180 top
U2#9  -  [DMC2400UV-7]  118.82 120.4 180 top
U3  NCV300LSN36T1G  [SOT95P275X110-5N]  21.85 76.5 180 top
U3#2  NCV300LSN36T1G  [SOT95P275X110-5N]  64.81 36.5 180 top
U3#3  NCV300LSN36T1G  [SOT95P275X110-5N]  107.77 116.5 180 top
U3#4  NCV300LSN36T1G  [SOT95P275X110-5N]  64.81 116.5 180 top
U3#5  NCV300LSN36T1G  [SOT95P275X110-5N]  21.85 36.5 180 top
U3#6  NCV300LSN36T1G  [SOT95P275X110-5N]  107.77 76.5 180 top
U3#7  NCV300LSN36T1G  [SOT95P275X110-5N]  107.77 36.5 180 top
U3#8  NCV300LSN36T1G  [SOT95P275X110-5N]  21.85 116.5 180 top
U3#9  NCV300LSN36T1G  [SOT95P275X110-5N]  64.81 76.5 180 top
U4  -  [BMP581]  110.94 52.15 90 top
U4#2  -  [BMP581]  110.94 12.15 90 top
U4#3  -  [BMP581]  25.02 92.15 90 top
U4#4  -  [BMP581]  67.98 52.15 90 top
U4#5  -  [BMP581]  67.98 92.15 90 top
U4#6  -  [BMP581]  25.02 52.15 90 top
U4#7  -  [BMP581]  25.02 12.15 90 top
U4#8  -  [BMP581]  110.94 92.15 90 top
U4#9  -  [BMP581]  67.98 12.15 90 top
U5  BME688  [IC_BME688]  35.5 15.25 90 top
U5#2  BME688  [IC_BME688]  78.46 55.25 90 top
U5#3  BME688  [IC_BME688]  35.5 95.25 90 top
U5#4  BME688  [IC_BME688]  78.46 15.25 90 top
U5#5  BME688  [IC_BME688]  35.5 55.25 90 top
U5#6  BME688  [IC_BME688]  121.42 55.25 90 top
U5#7  BME688  [IC_BME688]  121.42 95.25 90 top
U5#8  BME688  [IC_BME688]  78.46 95.25 90 top
U5#9  BME688  [IC_BME688]  121.42 15.25 90 top
U6  -  [DRV2603RUNT]  101.82 111.9 180 top
U6#2  -  [DRV2603RUNT]  101.82 31.9 180 top
U6#3  -  [DRV2603RUNT]  15.9 71.9 180 top
U6#4  -  [DRV2603RUNT]  15.9 111.9 180 top
U6#5  -  [DRV2603RUNT]  58.86 71.9 180 top
U6#6  -  [DRV2603RUNT]  15.9 31.9 180 top
U6#7  -  [DRV2603RUNT]  58.86 111.9 180 top
U6#8  -  [DRV2603RUNT]  58.86 31.9 180 top
U6#9  -  [DRV2603RUNT]  101.82 71.9 180 top
U7  XC9265A331MR-G  [SOT95P280X130-5N]  57.51 23.15 90 top
U7#2  XC9265A331MR-G  [SOT95P280X130-5N]  57.51 103.15 90 top
U7#3  XC9265A331MR-G  [SOT95P280X130-5N]  100.47 103.15 90 top
U7#4  XC9265A331MR-G  [SOT95P280X130-5N]  14.55 23.15 90 top
U7#5  XC9265A331MR-G  [SOT95P280X130-5N]  100.47 23.15 90 top
U7#6  XC9265A331MR-G  [SOT95P280X130-5N]  57.51 63.15 90 top
U7#7  XC9265A331MR-G  [SOT95P280X130-5N]  100.47 63.15 90 top
U7#8  XC9265A331MR-G  [SOT95P280X130-5N]  14.55 103.15 90 top
U7#9  XC9265A331MR-G  [SOT95P280X130-5N]  14.55 63.15 90 top
U10  0_NORA-B106  [NORA_LGA82R_1430X1040X180_ANT]  125.71 26 0 top
U10#2  0_NORA-B106  [NORA_LGA82R_1430X1040X180_ANT]  82.75 106 0 top
U10#3  0_NORA-B106  [NORA_LGA82R_1430X1040X180_ANT]  82.75 26 0 top
U10#4  0_NORA-B106  [NORA_LGA82R_1430X1040X180_ANT]  125.71 106 0 top
U10#5  0_NORA-B106  [NORA_LGA82R_1430X1040X180_ANT]  39.79 26 0 top
U10#6  0_NORA-B106  [NORA_LGA82R_1430X1040X180_ANT]  39.79 106 0 top
U10#7  0_NORA-B106  [NORA_LGA82R_1430X1040X180_ANT]  82.75 66 0 top
U10#8  0_NORA-B106  [NORA_LGA82R_1430X1040X180_ANT]  39.79 66 0 top
U10#9  0_NORA-B106  [NORA_LGA82R_1430X1040X180_ANT]  125.71 66 0 top
U11  TXB0104QRUTRQ1  [HPA01164RUTR]  116.32 60.1 0 top
U11#2  TXB0104QRUTRQ1  [HPA01164RUTR]  30.4 100.1 0 top
U11#3  TXB0104QRUTRQ1  [HPA01164RUTR]  73.36 60.1 0 top
U11#4  TXB0104QRUTRQ1  [HPA01164RUTR]  116.32 20.1 0 top
U11#5  TXB0104QRUTRQ1  [HPA01164RUTR]  73.36 100.1 0 top
U11#6  TXB0104QRUTRQ1  [HPA01164RUTR]  73.36 20.1 0 top
U11#7  TXB0104QRUTRQ1  [HPA01164RUTR]  116.32 100.1 0 top
U11#8  TXB0104QRUTRQ1  [HPA01164RUTR]  30.4 20.1 0 top
U11#9  TXB0104QRUTRQ1  [HPA01164RUTR]  30.4 60.1 0 top
U12  GC9A01  [GC9A01_disp_smaller]  53.26 26.4 90 top
U12#2  GC9A01  [GC9A01_disp_smaller]  53.26 106.4 90 top
U12#3  GC9A01  [GC9A01_disp_smaller]  53.26 66.4 90 top
U12#4  GC9A01  [GC9A01_disp_smaller]  96.22 106.4 90 top
U12#5  GC9A01  [GC9A01_disp_smaller]  96.22 26.4 90 top
U12#6  GC9A01  [GC9A01_disp_smaller]  10.3 66.4 90 top
U12#7  GC9A01  [GC9A01_disp_smaller]  10.3 106.4 90 top
U12#8  GC9A01  [GC9A01_disp_smaller]  10.3 26.4 90 top
U12#9  GC9A01  [GC9A01_disp_smaller]  96.22 66.4 90 top
U13  GC9A01A_CST816S  [ER-24F24-04]  30.49 106 270 top
U13#2  GC9A01A_CST816S  [ER-24F24-04]  73.45 106 270 top
U13#3  GC9A01A_CST816S  [ER-24F24-04]  116.41 106 270 top
U13#4  GC9A01A_CST816S  [ER-24F24-04]  73.45 66 270 top
U13#5  GC9A01A_CST816S  [ER-24F24-04]  30.49 66 270 top
U13#6  GC9A01A_CST816S  [ER-24F24-04]  73.45 26 270 top
U13#7  GC9A01A_CST816S  [ER-24F24-04]  30.49 26 270 top
U13#8  GC9A01A_CST816S  [ER-24F24-04]  116.41 66 270 top
U13#9  GC9A01A_CST816S  [ER-24F24-04]  116.41 26 270 top

## Library data of the parts
C10 C10#2-C10#9 C13 C13#2-C13#9 = -: Type: Ceramic
IC1 IC1#2-IC1#9 = -: Description: TVS Diode Array Uni-Directional ESDALC6V1W5 Quad, 25W, SOT-323 5-Pin; Height: 1.1; Manufacturer_Name: STMicroelectronics; Mouser Part Number: 511-ESDALC6V1W5; Mouser Price/Stock: https://www.mouser.co.uk/ProductDetail/STMicroelectronics/ESDALC6V1W5?qs=C%2FEejvvdwQ4xcyFnfrFaDw%3D%3D
